# Allegro board BeagleBone AI -64_PCB_V1.02_211119.brd (continued)
## Placement (name value [footprint] x y rotation side) (continued)
R297  10K  [R0201]  -8.72 29.95 270 top
R298  100K  [R0402]  6.28 7.55 90 top
R299  4.99K  [R0402]  6.14 25.09 180 top
R300  0R  [R0201]  6.79 68.8 0 top
R301  10K  [R0201]  7.48 57.38 0 top
R302  0R  [R0201]  7.5 60.8 0 top
R303  47K  [R0201]  7.5 60.1 0 top
R304  33R  [R0201]  7.5 59.36 0 top
R305  33R  [R0201]  7.5 58.6 0 top
R306  909K  [R0402]  48.05 4.6 90 top
R307  100K  [R0402]  10.06 9.37 180 top
R308  0R  [R0201]  10.23 0.81 90 top
R309  0R  [R0201]  10.99 0.81 90 top
R310  4.7K  [R0402]  -14.94 27.29 0 top
R311  100K  [R0402]  11.92 9.37 180 top
R312  52.3K  [R0402]  12.73 11.87 90 top
R313  0R  [R0201]  49.75 4.68 90 top
R314  10K  [R0201]  14.18 13.9 270 top
R315  10K  [R0201]  16.3 13.9 90 top
R316  0R  [R0201]  16.6 67.58 0 top
R317  10K  [R0201]  18.42 22.79 270 top
R318  10R  [R0402]  19.72 15.9 270 top
R319  33R  [R0201]  21.22 67.49 0 top
R320  47K  [R0201]  21.22 66.71 0 top
R321  33R  [R0201]  26.31 67.31 90 top
R322  47K  [R0201]  27 67.31 90 top
R323  33R  [R0201]  27.89 68.49 270 top
R324  47K  [R0201]  27.89 67.31 90 top
R325  33R  [R0201]  28.76 68.49 270 top
R326  47K  [R0201]  28.76 67.31 90 top
R327  33R  [R0201]  29.95 68.49 270 top
R328  47K  [R0201]  29.95 67.31 90 top
R329  10K  [R0201]  31.57 48.08 0 top
R330  2.2K  [R0201]  31.57 47.36 0 top
R331  10K  [R0201]  31.81 60.5 0 top
R332  10K  [R0201]  31.81 59.79 0 top
R333  47K  [R0201]  31.82 66.07 0 top
R334  47K  [R0201]  31.82 65.2 0 top
R335  47K  [R0201]  31.82 64.33 0 top
R336  47K  [R0201]  31.82 63.46 0 top
R337  10K  [R0201]  32.95 57.26 0 top
R338  0R  [R0201]  33.05 48.08 180 top
R339  0R  [R0201]  33.05 47.36 180 top
R340  33R  [R0201]  33.23 66.07 180 top
R341  33R  [R0201]  33.23 65.2 180 top
R342  33R  [R0201]  33.23 64.33 180 top
R343  33R  [R0201]  33.23 63.46 180 top
R344  8.06K  [R0402]  35.19 42.98 90 top
R345  10K  [R0201]  35.69 36.88 270 top
R346  100K  [R0402]  37.22 42.98 90 top
R347  100K  [R0402]  37.22 36.88 180 top
R348  82.5K  [R0402]  38.26 42.98 270 top
R349  0R  [R0201]  39.29 68.28 90 top
R350  13K  [R0402]  50.58 6.15 180 bottom
R351  0R  [R0201]  39.99 68.28 90 top
R352  20K  [R0402]  50.58 7.22 180 bottom
R353  100K  [R0402]  50.17 38.58 90 bottom
R354  20K  [R0402]  50.58 8.26 180 bottom
R355  11K  [R0402]  50.58 9.32 180 bottom
R356  100K  [R0402]  47.35 38.48 90 bottom
R357  10K  [R0201]  46.08 71.56 270 top
R358  10K  [R0201]  47.48 72.97 90 top
R359  10K  [R0201]  47.48 71.54 270 top
R360  10K  [R0201]  48.24 72.97 90 top
R361  47K  [R0201]  48.24 71.54 270 top
R362  0R  [R0201]  48.47 30.28 180 top
R363  10K  [R0201]  48.98 72.97 90 top
R364  10K  [R0201]  48.98 71.54 270 top
R365  1K  [R0402]  52.48 26.16 0 top
R366  10K  [R0201]  49.69 72.97 90 top
R367  10K  [R0201]  49.69 71.54 270 top
R368  1K  [R0402]  52.48 34.07 0 top
R369  1K  [R0402]  52.48 32.47 0 top
R370  1K  [R0402]  52.48 30.94 0 top
R371  1K  [R0402]  52.48 29.28 0 top
R372  1K  [R0402]  52.48 27.74 0 top
R373  0R  [R0201]  50.96 40.26 270 bottom
R374  10K  [R0201]  -41.22 6.16 180 top
R375  0R  [R0201]  51.67 40.26 270 bottom
R376  10K  [R0201]  -41.22 4.79 180 top
R377  0R  [R0201]  -37.99 46.94 270 bottom
R378  0R  [R0201]  48.85 43.02 0 top
R379  0R  [R0201]  50.65 43.02 0 top
R380  10K  [R0201]  49.07 4.68 90 top
R381  10K  [R0201]  51.16 7.99 180 top
R382  10K  [R0201]  -41.22 4.1 180 top
R383  10K  [R0201]  -41.22 3.37 180 top
R384  10K  [R0201]  -41.22 6.85 180 top
R385  10K  [R0201]  -41.22 5.48 180 top
R386  33R  [R0201]  -31.5 29 90 bottom
R387  33R  [R0201]  -29.55 40.99 90 bottom
R388  33R  [R0201]  -33.34 40.6 180 bottom
R389  33R  [R0201]  -34.47 37.12 270 bottom
R390  33R  [R0201]  -34.1 38.85 180 bottom
R391  33R  [R0201]  -40.01 36.94 270 bottom
R392  49.9R  [R0201]  30.66 12.28 0 top
R393  0R  [R0201]  30.66 12.98 0 top
R394  10K  [R0201]  49.71 4.68 90 bottom
SW1  Tactile Switch  [SW_4P]  -45.35 62.43 0 bottom
SW2  Tactile Switch  [SW_4P]  -45.35 56.9 0 bottom
SW3  Tactile Switch  [SW_4P]  -45.35 51.15 0 bottom
TP1  Test Point  [TP30C_SMD]  -31.49 30.16 90 bottom
TP2  -  [TP30_SMD]  -11.42 34.22 90 bottom
TP3  Test Point  [TP30C_SMD]  -16.33 39.02 180 bottom
TP4  Test Point  [TP30C_SMD]  -19.03 42.75 180 bottom
TP5  Test Point  [TP30C_SMD]  -35.77 35.58 0 top
TP6  Test Point  [TP30C_SMD]  -34.88 26.94 0 top
TP7  -  [TP30_SMD]  -33.77 47.22 270 top
TP8  -  [TP30_SMD]  -19.6 52.64 0 top
TP9  -  [TP30_SMD]  30.76 32.2 270 top
TP10  -  [TP30_SMD]  32.88 58.56 270 top
TP11  -  [TP30_SMD]  47.76 64.19 180 top
TP12  -  [TP30_SMD]  50.48 64.97 180 top
TP13  -  [TP30_SMD]  50.93 44.8 180 top
TP14  -  [TP30_SMD]  50.95 47.97 270 top
TP15  Test Point  [TP60C_SMD]  -40.5 44.63 180 bottom
TP16  Test Point  [TP60C_SMD]  -37.96 44.63 180 bottom
TP17  Test Point  [TP30C_SMD]  -30.02 42.12 90 bottom
TP18  Test Point  [TP30C_SMD]  -34.66 40.72 90 bottom
TP19  Test Point  [TP30C_SMD]  -33.83 36.1 90 bottom
TP20  Test Point  [TP30C_SMD]  -35.36 38.61 180 bottom
TP21  Test Point  [TP30C_SMD]  -40.02 35.8 90 bottom
U1  TPS2121RUXR  [VQFN12_0D5_2X2_5X1MM]  40.69 10.97 180 bottom
U2  TXS0104ERGYR  [QFN14_0D5_3_5X3_5X1MM]  30.13 58.34 270 bottom
U3  LM5141RGER  [VQFN24_0D5_4X4X1MM]  18.39 14.29 0 bottom
U4  TPS2561DRCR  [VSON10_0D5_3X3X1MM]  4.01 11.28 180 bottom
U5  TPS22918DBVR  [SOT23_6]  -33.17 52.86 180 bottom
U6  SN74LVC1G08DCKR  [DCK5_2P15X1P4]  -33.24 58.45 270 bottom
U7  24FC04HT-I/OT  [SOT23-5]  -33.34 46.41 270 bottom
U8  MAX6817EUT+T  [SOT23_6]  -37.2 52.86 0 bottom
U9  TPS74801DRCR  [VSON10_0D5_3X3X1MM]  -20.29 19.04 90 top
U10  TPS3808G33DBVR  [SOT23_6]  -37.55 41.2 180 top
U11  SN74LVC1G07DCKR  [DCK5_2P15X1P4]  -37.53 44.68 270 top
U12  SN74LVC1G07DCKR  [DCK5_2P15X1P4]  -37.45 47.3 270 top
U13  TPD4E05U06DQAR  [USON10_0D5_2D5X1X0D5MM]  -34.24 18.11 180 top
U14  SN74LVC2G74DCUR  [SO8_0D5_2_3X2X0_9MM]  -31.57 42.08 90 top
U15  DP83867CRRGZR  [QFN48_0D5_7X7MM]  -30.97 31.9 0 top
U16  SN74LVC1G08DCKR  [DCK5_2P15X1P4]  -30.81 46.25 90 top
U17  TPD4E05U06DQAR  [USON10_0D5_2D5X1X0D5MM]  -26.83 18.11 180 top
U18  TPS74801DRCR  [VSON10_0D5_3X3X1MM]  9.26 25.96 180 top
U19  XJ721EGBALF  [FCBGA827_0D8_24X24X2_8MM]  -6.29 49.18 180 top
U20  TUSB8041RGCR  [QFN64_0D5_9X9X1MM]  -5.51 23.02 90 top
U21  TUSB322IRWBR  [X2QFN12_0D4_1_6X1_6X0_4MM]  48.59 7.25 0 top
U22  TPS2553DBVR  [SOT23_6]  15.26 11.37 90 top
U23  TPS22965DSGR  [WSON8_0D5_2X2X0_8MM]  18.24 25.33 90 top
U24  SN74LVC1G17DCKR  [SC70_5]  18.98 67.62 270 top
U25  Q3222PM1WDGTK-U  [BGA200_0D65_15X10X1MM]  21.99 43.9 90 top
U26  EMMC16G-TB29-PZ90  [BGA153_P14_P5_11P5X13]  23.48 59.96 270 top
U27  SN74LVC1G07DCKR  [DCK5_2P15X1P4]  32.35 54.95 0 top
U28  TPS62813QWRWYRQ1  [VQFNHR9_0D55_3X2X1MM]  36.46 40.06 180 top
U29  TPS65941111RWERQ1  [VQFN56_0D5_8X8X0_9MM]  40.32 25.89 0 top
U30  TPS65941213RWERQ1  [VQFN56_0D5_8X8X0_9MM]  42.38 53.87 0 top
U31  SN74LVC2G241DCUR  [U_8_DCU]  50.85 39.32 0 top
U32  TXB0108RGYR  [VQFN-20]  44.89 67.22 180 top
U33  SN74LVC2G241DCUR  [U_8_DCU]  47.92 39.31 0 top
U34  SN74CBTLV1G125DBVR  [SOT23-5]  43.08 12.45 0 top
X1  25MHz 18pF  [X4_SMD_2_5X2_0MM]  -31.04 23.63 180 top
X2  19.2000MHz 8PF  [X4_SMD_2_5X2_0MM]  -26.02 46.63 90 top
X3  22.5792MHz 8PF  [X4_SMD_2_5X2_0MM]  -25.95 51.46 270 top
X4  24MHz 18pF  [X4-SMD-3_2X2_5X1_0MM]  -15.86 19.58 90 top
X5  32.768kHz 12.5pF  [X2_SMD_3_2X1_5MM]  52.01 61.49 270 top

## Library data of the parts
C1-C85 C87-C94 C96-C107 C109 C111-C116 C118-C141 C143-C168 C170-C194 C196-C206 C208-C218 C220-C249 C251-C279 C281-C337 C339 C342-C344 C346 C348-C366 C369-C372 C376 C378-C387 C389-C391 C394-C409 C411 C414 C419-C421 C423-C425 C427-C430 C433 C434 C439 C440 C442 C443 C445-C453 C455-C460 C462-C470 C472 C475 C476 C478 C480-C530 C537-C548 = CC
C86 C95 C108 C110 C117 C169 C195 C207 C219 C250 C280 C338 C340 C341 C345 C347 C367 C374 C392 C393 C410 C412 C413 C415-C418 C422 C426 C431 C432 C435-C438 C441 C444 C454 C461 C471 C473 C474 C477 C479 = CC_EMIFIL_3P
C142 C388 = CT
C368 C373 C375 C377 C531-C536 = CC: signal model: CC_C0201_220NF_220nF
D1-D4 D19 D22-D35 D48 D49 = DIODE TVS BI-DIR
D5 D13-D18 D40 D42-D47 = ESD122DMX
D6 D8-D12 D36-D39 = TPD1E05U06DPY
D7 = BZX84C6V8LT1G
D20 D21 = D
D41 = D_Schottky
FL1-FL26 = FB
J1 = Header_4+2P
J2 J3 = SIP3
J4 = PCIe_M.2_Key E_75Pin
J5 = USB3.0_Type C_24+4P
J6 = Power Jack: Tolerance: X; User Part Number: X
J7 = Mini Display Port_20Pin
J8 = USB3.0_Dual Type A_18+4P
J9 = RJ45_LPJG0933HENL
J10 = Header 2X8 1357
J11 = Header 2X5_1
J12 = MicroSD Card_10+4P
J13 J15 J16 = FPC 22+2P
L1 L3-L14 L26-L30 = CL
L2 L15-L25 = L
LED1-LED6 = Single LED
MH1-MH9 = MHole
P8 = Header 2x23
P9 = Header 2x25_SPE
Q1 = PMOS_123
Q2 Q3 = NMOS_5P_1S2S3S4G5D
Q4-Q6 = NMOS_123
R1-R121 R123-R189 R191-R197 R199-R204 R206 R209-R211 R217-R224 R226-R229 R231-R236 R238-R247 R250-R273 R276-R303 R306-R320 R322 R324 R326 R328-R339 R344-R385 R392-R394 = R
R122 R190 R198 R205 R207 R208 R212-R216 R225 R230 R237 R248 R249 R274 R275 R304 R305 R321 R323 R325 R327 R340-R343 R386-R391 = R: signal model: R_R0201_33R_33R
SW1-SW3 = Tactile Switch_4P
TP1 TP3-TP6 TP15-TP21 = Test Point
TP2 TP7-TP14 = TESTPOINT
U1 = TPS2121
U2 = TXS0104E
U3 = LM5141RGE
U4 = TPS2561
U5 = TPS22918DBV
U6 U16 = SN74LVC1G08DCKR
U7 = MEM_24LC32_SOT23-5
U8 = MAX6817EUT
U9 U18 = TPS74801DRCR
U10 = TPS3808G33DBV
U11 U12 U27 = SN74LVC1G07DCK
U13 U17 = TPD4E05U06DQAR
U14 = SN74LVC2G74
U15 = DP83867CRRGZ
U19 = TDA4VM
U20 = TUSB8041
U21 = TUSB322IRWBR
U22 = TPS2553DBV
U23 = TPS22965DSG
U24 = SN74AUP1T17DCKR
U25 = LPDDR4_x32_VFBGA200
U26 = eMMC_5_1_153-ball_WFBGA
U28 = TPS62813-Q1
U29 U30 = TPS65941-Q1
U31 U33 = SN74LVC2G241
U32 = TXS0108E
U34 = SN74CBTLV1G125DBVR
X1-X4 = XTAL_4P
X5 = XTAL_2P

## Footprints (pads in the part's own frame, mm; a bottom-side part is the same pattern mirrored in y, then rotated)
AVX_C
  rrect 1.524x2.54 smd: 1(-2.794,0) 2(2.794,0)
BGA153_P14_P5_11P5X13
  round 0.254 smd: A1(-3.25,3.25) A2(-2.75,3.25) A3(-2.25,3.25) A4(-1.75,3.25) A5(-1.25,3.25) A6(-0.75,3.25) A7(-0.25,3.25) A8(0.25,3.25) A9(0.75,3.25) A10(1.25,3.25) A11(1.75,3.25) A12(2.25,3.25) A13(2.75,3.25) A14(3.25,3.25) B1(-3.25,2.75) B2(-2.75,2.75) B3(-2.25,2.75) B4(-1.75,2.75) B5(-1.25,2.75) B6(-0.75,2.75) B7(-0.25,2.75) B8(0.25,2.75) B9(0.75,2.75) B10(1.25,2.75) B11(1.75,2.75) B12(2.25,2.75) B13(2.75,2.75) B14(3.25,2.75) C1(-3.25,2.25) C2(-2.75,2.25) C3(-2.25,2.25) C4(-1.75,2.25) C5(-1.25,2.25) C6(-0.75,2.25) C7(-0.25,2.25) C8(0.25,2.25) C9(0.75,2.25) C10(1.25,2.25) C11(1.75,2.25) C12(2.25,2.25) C13(2.75,2.25) C14(3.25,2.25) D1(-3.25,1.75) D2(-2.75,1.75) D3(-2.25,1.75) D4(-1.75,1.75) D12(2.25,1.75) D13(2.75,1.75) D14(3.25,1.75) E1(-3.25,1.25) E2(-2.75,1.25) E3(-2.25,1.25) E5(-1.25,1.25) E6(-0.75,1.25) E7(-0.25,1.25) E8(0.25,1.25) E9(0.75,1.25) E10(1.25,1.25) E12(2.25,1.25) E13(2.75,1.25) E14(3.25,1.25) F1(-3.25,0.75) F2(-2.75,0.75) F3(-2.25,0.75) F5(-1.25,0.75) F10(1.25,0.75) F12(2.25,0.75) F13(2.75,0.75) F14(3.25,0.75) G1(-3.25,0.25) G2(-2.75,0.25) G3(-2.25,0.25) G5(-1.25,0.25) G10(1.25,0.25) G12(2.25,0.25) G13(2.75,0.25) G14(3.25,0.25) H1(-3.25,-0.25) H2(-2.75,-0.25) H3(-2.25,-0.25) H5(-1.25,-0.25) H10(1.25,-0.25) H12(2.25,-0.25) H13(2.75,-0.25) H14(3.25,-0.25) J1(-3.25,-0.75) J2(-2.75,-0.75) J3(-2.25,-0.75) J5(-1.25,-0.75) J10(1.25,-0.75) J12(2.25,-0.75) J13(2.75,-0.75) J14(3.25,-0.75) K1(-3.25,-1.25) K2(-2.75,-1.25) K3(-2.25,-1.25) K5(-1.25,-1.25) K6(-0.75,-1.25) K7(-0.25,-1.25) K8(0.25,-1.25) K9(0.75,-1.25) K10(1.25,-1.25) K12(2.25,-1.25) K13(2.75,-1.25) K14(3.25,-1.25) L1(-3.25,-1.75) L2(-2.75,-1.75) L3(-2.25,-1.75) L12(2.25,-1.75) L13(2.75,-1.75) L14(3.25,-1.75) M1(-3.25,-2.25) M2(-2.75,-2.25) M3(-2.25,-2.25) M4(-1.75,-2.25) M5(-1.25,-2.25) M6(-0.75,-2.25) M7(-0.25,-2.25) M8(0.25,-2.25) M9(0.75,-2.25) M10(1.25,-2.25) M11(1.75,-2.25) M12(2.25,-2.25) M13(2.75,-2.25) M14(3.25,-2.25) N1(-3.25,-2.75) N2(-2.75,-2.75) N3(-2.25,-2.75) N4(-1.75,-2.75) N5(-1.25,-2.75) N6(-0.75,-2.75) N7(-0.25,-2.75) N8(0.25,-2.75) N9(0.75,-2.75) N10(1.25,-2.75) N11(1.75,-2.75) N12(2.25,-2.75) N13(2.75,-2.75) N14(3.25,-2.75) P1(-3.25,-3.25) P2(-2.75,-3.25) P3(-2.25,-3.25) P4(-1.75,-3.25) P5(-1.25,-3.25) P6(-0.75,-3.25) P7(-0.25,-3.25) P8(0.25,-3.25) P9(0.75,-3.25) P10(1.25,-3.25) P11(1.75,-3.25) P12(2.25,-3.25) P13(2.75,-3.25) P14(3.25,-3.25)
BGA200_0D65_15X10X1MM
  round 0.305 smd: A1(-6.825,-4.4) A2(-6.825,-3.6) A3(-6.825,-2.8) A4(-6.825,-2) A5(-6.825,-1.2) A8(-6.825,1.2) A9(-6.825,2) A10(-6.825,2.8) A11(-6.825,3.6) A12(-6.825,4.4) AA1(6.175,-4.4) AA2(6.175,-3.6) AA3(6.175,-2.8) AA4(6.175,-2) AA5(6.175,-1.2) AA8(6.175,1.2) AA9(6.175,2) AA10(6.175,2.8) AA11(6.175,3.6) AA12(6.175,4.4) AB1(6.825,-4.4) AB2(6.825,-3.6) AB3(6.825,-2.8) AB4(6.825,-2) AB5(6.825,-1.2) AB8(6.825,1.2) AB9(6.825,2) AB10(6.825,2.8) AB11(6.825,3.6) AB12(6.825,4.4) B1(-6.175,-4.4) B2(-6.175,-3.6) B3(-6.175,-2.8) B4(-6.175,-2) B5(-6.175,-1.2) B8(-6.175,1.2) B9(-6.175,2) B10(-6.175,2.8) B11(-6.175,3.6) B12(-6.175,4.4) C1(-5.525,-4.4) C2(-5.525,-3.6) C3(-5.525,-2.8) C4(-5.525,-2) C5(-5.525,-1.2) C8(-5.525,1.2) C9(-5.525,2) C10(-5.525,2.8) C11(-5.525,3.6) C12(-5.525,4.4) D1(-4.875,-4.4) D2(-4.875,-3.6) D3(-4.875,-2.8) D4(-4.875,-2) D5(-4.875,-1.2) D8(-4.875,1.2) D9(-4.875,2) D10(-4.875,2.8) D11(-4.875,3.6) D12(-4.875,4.4) E1(-4.225,-4.4) E2(-4.225,-3.6) E3(-4.225,-2.8) E4(-4.225,-2) E5(-4.225,-1.2) E8(-4.225,1.2) E9(-4.225,2) E10(-4.225,2.8) E11(-4.225,3.6) E12(-4.225,4.4) F1(-3.575,-4.4) F2(-3.575,-3.6) F3(-3.575,-2.8) F4(-3.575,-2) F5(-3.575,-1.2) F8(-3.575,1.2) F9(-3.575,2) F10(-3.575,2.8) F11(-3.575,3.6) F12(-3.575,4.4) G1(-2.925,-4.4) G2(-2.925,-3.6) G3(-2.925,-2.8) G4(-2.925,-2) G5(-2.925,-1.2) G8(-2.925,1.2) G9(-2.925,2) G10(-2.925,2.8) G11(-2.925,3.6) G12(-2.925,4.4) H1(-2.275,-4.4) H2(-2.275,-3.6) H3(-2.275,-2.8) H4(-2.275,-2) H5(-2.275,-1.2) H8(-2.275,1.2) H9(-2.275,2) H10(-2.275,2.8) H11(-2.275,3.6) H12(-2.275,4.4) J1(-1.625,-4.4) J2(-1.625,-3.6) J3(-1.625,-2.8) J4(-1.625,-2) J5(-1.625,-1.2) J8(-1.625,1.2) J9(-1.625,2) J10(-1.625,2.8) J11(-1.625,3.6) J12(-1.625,4.4) K1(-0.975,-4.4) K2(-0.975,-3.6) K3(-0.975,-2.8) K4(-0.975,-2) K5(-0.975,-1.2) K8(-0.975,1.2) K9(-0.975,2) K10(-0.975,2.8) K11(-0.975,3.6) K12(-0.975,4.4) N1(0.975,-4.4) N2(0.975,-3.6) N3(0.975,-2.8) N4(0.975,-2) N5(0.975,-1.2) N8(0.975,1.2) N9(0.975,2) N10(0.975,2.8) N11(0.975,3.6) N12(0.975,4.4) P1(1.625,-4.4) P2(1.625,-3.6) P3(1.625,-2.8) P4(1.625,-2) P5(1.625,-1.2) P8(1.625,1.2) P9(1.625,2) P10(1.625,2.8) P11(1.625,3.6) P12(1.625,4.4) R1(2.275,-4.4) R2(2.275,-3.6) R3(2.275,-2.8) R4(2.275,-2) R5(2.275,-1.2) R8(2.275,1.2) R9(2.275,2) R10(2.275,2.8) R11(2.275,3.6) R12(2.275,4.4) T1(2.925,-4.4) T2(2.925,-3.6) T3(2.925,-2.8) T4(2.925,-2) T5(2.925,-1.2) T8(2.925,1.2) T9(2.925,2) T10(2.925,2.8) T11(2.925,3.6) T12(2.925,4.4) U1(3.575,-4.4) U2(3.575,-3.6) U3(3.575,-2.8) U4(3.575,-2) U5(3.575,-1.2) U8(3.575,1.2) U9(3.575,2) U10(3.575,2.8) U11(3.575,3.6) U12(3.575,4.4) V1(4.225,-4.4) V2(4.225,-3.6) V3(4.225,-2.8) V4(4.225,-2) V5(4.225,-1.2) V8(4.225,1.2) V9(4.225,2) V10(4.225,2.8) V11(4.225,3.6) V12(4.225,4.4) W1(4.875,-4.4) W2(4.875,-3.6) W3(4.875,-2.8) W4(4.875,-2) W5(4.875,-1.2) W8(4.875,1.2) W9(4.875,2) W10(4.875,2.8) W11(4.875,3.6) W12(4.875,4.4) Y1(5.525,-4.4) Y2(5.525,-3.6) Y3(5.525,-2.8) Y4(5.525,-2) Y5(5.525,-1.2) Y8(5.525,1.2) Y9(5.525,2) Y10(5.525,2.8) Y11(5.525,3.6) Y12(5.525,4.4)
C0201
  rrect 0.279x0.318 smd: 1(-0.279,0) 2(0.279,0)
C0402
  rrect 0.5x0.5 smd: 1(-0.463,0) 2(0.463,0)
C0603
  rrect 0.889x0.889 smd: 1(-0.762,0) 2(0.762,0)
C0805
  rrect 1.016x1.397 smd: 1(-0.889,0) 2(0.889,0)
C1206
  rect 1.397x1.626 smd: 1(-1.41,0) 2(1.41,0)
C1210
  rrect 1.55x3.1 smd: 1(-1.5,0) 2(1.5,0)
CON3B35X60
  rect 1.016x1.016 hole 0.813: 1(-1.5,0.45)
  round 1.016 hole 0.813: 2(0,0.45) 3(1.5,0.45)
CON_MINIPEX_067_SMT_RA_M2_KEYE_C
  round 1.1 hole 1.1 unplated: (-10,-1.636)
  round 1.6 hole 1.6 unplated: (10,-1.636)
  rect 0.305x1.575 smd: 1(-9.25,3.639) 2(-9,-3.911) 3(-8.75,3.639) 4(-8.5,-3.911) 5(-8.25,3.639) 6(-8,-3.911) 7(-7.75,3.639) 8(-7.5,-3.911) 9(-7.25,3.639) 10(-7,-3.911) 11(-6.75,3.639) 12(-6.5,-3.911) 13(-6.25,3.639) 14(-6,-3.911) 15(-5.75,3.639) 16(-5.5,-3.911) 17(-5.25,3.639) 18(-5,-3.911) 19(-4.75,3.639) 20(-4.5,-3.911) 21(-4.25,3.639) 22(-4,-3.911) 23(-3.75,3.639) 32(-1.5,-3.911) 33(-1.25,3.639) 34(-1,-3.911) 35(-0.75,3.639) 36(-0.5,-3.911) 37(-0.25,3.639) 38(0,-3.911) 39(0.25,3.639) 40(0.5,-3.911) 41(0.75,3.639) 42(1,-3.911) 43(1.25,3.639) 44(1.5,-3.911) 45(1.75,3.639) 46(2,-3.911) 47(2.25,3.639) 48(2.5,-3.911) 49(2.75,3.639) 50(3,-3.911) 51(3.25,3.639) 52(3.5,-3.911) 53(3.75,3.639) 54(4,-3.911) 55(4.25,3.639) 56(4.5,-3.911) 57(4.75,3.639) 58(5,-3.911) 59(5.25,3.639) 60(5.5,-3.911) 61(5.75,3.639) 62(6,-3.911) 63(6.25,3.639) 64(6.5,-3.911) 65(6.75,3.639) 66(7,-3.911) 67(7.25,3.639) 68(7.5,-3.911) 69(7.75,3.639) 70(8,-3.911) 71(8.25,3.639) 72(8.5,-3.911) 73(8.75,3.639) 74(9,-3.911) 75(9.25,3.639)
  rect 1.219x2.769 smd: 76(-10.35,2.864) 77(10.35,2.864)
CONN3-PWR-DC630
  oval 1.2x3.5 hole 0.45x2.6: 1(0,0.1) 2(6.294,0.1)
  oval 3.5x1.2 hole 2.6x0.45: 3(3.297,4.699)
CONNECT10_1D27_12_4X6_7MM
  round 1.2 hole 1.2 unplated: (-3.81,0) (3.81,1.015) (3.81,-1.015)
  round 0.89 smd: 1(-2.54,-0.635) 2(-1.27,-0.635) 3(0,-0.635) 4(1.27,-0.635) 5(2.54,-0.635) 6(2.54,0.635) 7(1.27,0.635) 8(0,0.635) 9(-1.27,0.635) 10(-2.54,0.635)
D0402
  rrect 0.5x0.5 smd: 1(-0.463,0) 2(0.463,0)
D0402_1C2A
  rrect 0.5x0.5 smd: 1(-0.463,0) 2(0.463,0)
DCK5_2P15X1P4
  rect 0.4x0.9 smd: 1(-0.65,-1.1) 2(0,-1.1) 3(0.65,-1.1) 4(0.65,1.1) 5(-0.65,1.1)
DO_214AC_SMA
  rrect 1.77x1.8 smd: 1(-2.042,0) 2(2.042,0)
DP20_0D6_9_8X11_8X5_9MM
  round 1.5 hole 1.5 unplated: (-4,0) (4,0)
  rrect 0.35x2 smd: 1(2.7,6) 3(2.1,6) 5(1.5,6) 7(0.9,6) 9(0.3,6) 11(-0.3,6) 13(-0.9,6) 15(-1.5,6) 17(-2.1,6) 19(-2.7,6)
  round 0.813 hole 0.508: 2(2.7,3.09) 4(2.3,2.09) 6(1.3,2.09) 8(0.9,3.09) 10(0.5,4.09) 12(-0.5,4.09) 14(-0.9,3.09) 16(-1.3,2.09) 18(-2.3,2.09) 20(-2.7,3.09)
  oval 1.2x2.3 hole 0.7x1.8: SH1(-4.56,-2.72) SH2(4.56,-2.72)
  oval 1.2x2.7 hole 0.7x2.2: SH3(-4.26,3.09) SH4(4.26,3.09)
EMIFIL_0402_3P
  rect 0.305x0.508 smd: 1(-0.5,0) 3(0.5,0)
  rect 0.254x0.762 smd: 2(0,0)
EMIFIL_0805_3P
  rrect 0.4x0.85 smd: 1(-1,0) 3(1,0)
  rrect 1x1.45 smd: 2(0,0)
FCBGA827_0D8_24X24X2_8MM
  round 0.457 smd: A1(-11.2,11.2) A2(-10.4,11.2) A3(-9.6,11.2) A4(-8.8,11.2) A5(-8,11.2) A6(-7.2,11.2) A7(-6.4,11.2) A8(-5.6,11.2) A9(-4.8,11.2) A10(-4,11.2) A11(-3.2,11.2) A12(-2.4,11.2) A13(-1.6,11.2) A14(-0.8,11.2) A15(0,11.2) A16(0.8,11.2) A17(1.6,11.2) A18(2.4,11.2) A19(3.2,11.2) A20(4,11.2) A21(4.8,11.2) A22(5.6,11.2) A23(6.4,11.2) A24(7.2,11.2) A25(8,11.2) A26(8.8,11.2) A27(9.6,11.2) A28(10.4,11.2) AA1(-11.2,-4.8) AA2(-10.4,-4.8) AA3(-9.6,-4.8) AA4(-8.8,-4.8) AA5(-8,-4.8) AA6(-7.2,-4.8) AA7(-6.4,-4.8) AA8(-5.6,-4.8) AA9(-4.8,-4.8) AA10(-4,-4.8) AA11(-3.2,-4.8) AA12(-2.4,-4.8) AA13(-1.6,-4.8) AA14(-0.8,-4.8) AA15(0,-4.8) AA16(0.8,-4.8) AA17(1.6,-4.8) AA18(2.4,-4.8) AA19(3.2,-4.8) AA20(4,-4.8) AA21(4.8,-4.8) AA22(5.6,-4.8) AA23(6.4,-4.8) AA24(7.2,-4.8) AA25(8,-4.8) AA26(8.8,-4.8) AA27(9.6,-4.8) AA28(10.4,-4.8) AA29(11.2,-4.8) AB1(-11.2,-5.6) AB2(-10.4,-5.6) AB3(-9.6,-5.6) AB4(-8.8,-5.6) AB5(-8,-5.6) AB6(-7.2,-5.6) AB7(-6.4,-5.6) AB8(-5.6,-5.6) AB9(-4.8,-5.6) AB10(-4,-5.6) AB11(-3.2,-5.6) AB12(-2.4,-5.6) AB13(-1.6,-5.6) AB14(-0.8,-5.6) AB15(0,-5.6) AB16(0.8,-5.6) AB17(1.6,-5.6) AB18(2.4,-5.6) AB19(3.2,-5.6) AB20(4,-5.6) AB21(4.8,-5.6) AB22(5.6,-5.6) AB23(6.4,-5.6) AB24(7.2,-5.6) AB25(8,-5.6) AB26(8.8,-5.6) AB27(9.6,-5.6) AB28(10.4,-5.6) AB29(11.2,-5.6) AC1(-11.2,-6.4) AC2(-10.4,-6.4) AC3(-9.6,-6.4) AC4(-8.8,-6.4) AC5(-8,-6.4) AC6(-7.2,-6.4) AC7(-6.4,-6.4) AC8(-5.6,-6.4) AC9(-4.8,-6.4) AC10(-4,-6.4) AC11(-3.2,-6.4) AC12(-2.4,-6.4) AC13(-1.6,-6.4) AC14(-0.8,-6.4) AC15(0,-6.4) AC16(0.8,-6.4) AC17(1.6,-6.4) AC18(2.4,-6.4) AC19(3.2,-6.4) AC20(4,-6.4) AC21(4.8,-6.4) AC22(5.6,-6.4) AC23(6.4,-6.4) AC24(7.2,-6.4) AC25(8,-6.4) AC26(8.8,-6.4) AC27(9.6,-6.4) AC28(10.4,-6.4) AC29(11.2,-6.4) AD1(-11.2,-7.2) AD2(-10.4,-7.2) AD3(-9.6,-7.2) AD4(-8.8,-7.2) AD5(-8,-7.2) AD6(-7.2,-7.2) AD7(-6.4,-7.2) AD8(-5.6,-7.2) AD9(-4.8,-7.2) AD10(-4,-7.2) AD11(-3.2,-7.2) AD12(-2.4,-7.2) AD13(-1.6,-7.2) AD14(-0.8,-7.2) AD15(0,-7.2) AD16(0.8,-7.2) AD17(1.6,-7.2) AD18(2.4,-7.2) AD19(3.2,-7.2) AD20(4,-7.2) AD21(4.8,-7.2) AD22(5.6,-7.2) AD23(6.4,-7.2) AD24(7.2,-7.2) AD25(8,-7.2) AD26(8.8,-7.2) AD27(9.6,-7.2) AD28(10.4,-7.2) AD29(11.2,-7.2) AE1(-11.2,-8) AE2(-10.4,-8) AE3(-9.6,-8) AE4(-8.8,-8) AE5(-8,-8) AE6(-7.2,-8) AE7(-6.4,-8) AE8(-5.6,-8) AE9(-4.8,-8) AE10(-4,-8) AE11(-3.2,-8) AE12(-2.4,-8) AE13(-1.6,-8) AE14(-0.8,-8) AE15(0,-8) AE16(0.8,-8) AE17(1.6,-8) AE18(2.4,-8) AE19(3.2,-8) AE20(4,-8) AE21(4.8,-8) AE22(5.6,-8) AE23(6.4,-8) AE24(7.2,-8) AE25(8,-8) AE26(8.8,-8) AE27(9.6,-8) AE28(10.4,-8) AE29(11.2,-8) AF1(-11.2,-8.8) AF2(-10.4,-8.8) AF3(-9.6,-8.8) AF4(-8.8,-8.8) AF5(-8,-8.8) AF6(-7.2,-8.8) AF7(-6.4,-8.8) AF8(-5.6,-8.8) AF9(-4.8,-8.8) AF10(-4,-8.8) AF11(-3.2,-8.8) AF12(-2.4,-8.8) AF13(-1.6,-8.8) AF14(-0.8,-8.8) AF15(0,-8.8) AF16(0.8,-8.8) AF17(1.6,-8.8) AF18(2.4,-8.8) AF19(3.2,-8.8) AF20(4,-8.8) AF21(4.8,-8.8) AF22(5.6,-8.8) AF23(6.4,-8.8) AF24(7.2,-8.8) AF25(8,-8.8) AF26(8.8,-8.8) AF27(9.6,-8.8) AF28(10.4,-8.8) AF29(11.2,-8.8) AG1(-11.2,-9.6) AG2(-10.4,-9.6) AG3(-9.6,-9.6) AG4(-8.8,-9.6) AG5(-8,-9.6) AG6(-7.2,-9.6) AG7(-6.4,-9.6) AG8(-5.6,-9.6) AG9(-4.8,-9.6) AG10(-4,-9.6) AG11(-3.2,-9.6) AG12(-2.4,-9.6) AG13(-1.6,-9.6) AG14(-0.8,-9.6) AG15(0,-9.6) AG16(0.8,-9.6) AG17(1.6,-9.6) AG18(2.4,-9.6) AG19(3.2,-9.6) AG20(4,-9.6) AG21(4.8,-9.6) AG22(5.6,-9.6) AG23(6.4,-9.6) AG24(7.2,-9.6) AG25(8,-9.6) AG26(8.8,-9.6) AG27(9.6,-9.6) AG28(10.4,-9.6) AG29(11.2,-9.6) AH1(-11.2,-10.4) AH2(-10.4,-10.4) AH3(-9.6,-10.4) AH4(-8.8,-10.4) AH5(-8,-10.4) AH6(-7.2,-10.4) AH7(-6.4,-10.4) AH8(-5.6,-10.4) AH9(-4.8,-10.4) AH10(-4,-10.4) AH11(-3.2,-10.4) AH12(-2.4,-10.4) AH13(-1.6,-10.4) AH14(-0.8,-10.4) AH15(0,-10.4) AH16(0.8,-10.4) AH17(1.6,-10.4) AH18(2.4,-10.4) AH19(3.2,-10.4) AH20(4,-10.4) AH21(4.8,-10.4) AH22(5.6,-10.4) AH23(6.4,-10.4) AH24(7.2,-10.4) AH25(8,-10.4) AH26(8.8,-10.4) AH27(9.6,-10.4) AH28(10.4,-10.4) AH29(11.2,-10.4) AJ2(-10.4,-11.2) AJ3(-9.6,-11.2) AJ4(-8.8,-11.2) AJ5(-8,-11.2) AJ6(-7.2,-11.2) AJ7(-6.4,-11.2) AJ8(-5.6,-11.2) AJ9(-4.8,-11.2) AJ10(-4,-11.2) AJ11(-3.2,-11.2) AJ12(-2.4,-11.2) AJ13(-1.6,-11.2) AJ14(-0.8,-11.2) AJ15(0,-11.2) AJ16(0.8,-11.2) AJ17(1.6,-11.2) AJ18(2.4,-11.2) AJ19(3.2,-11.2) AJ20(4,-11.2) AJ21(4.8,-11.2) AJ22(5.6,-11.2) AJ23(6.4,-11.2) AJ24(7.2,-11.2) AJ25(8,-11.2) AJ26(8.8,-11.2) AJ27(9.6,-11.2) AJ28(10.4,-11.2) AJ29(11.2,-11.2) B1(-11.2,10.4) B2(-10.4,10.4) B3(-9.6,10.4) B4(-8.8,10.4) B5(-8,10.4) B6(-7.2,10.4) B7(-6.4,10.4) B8(-5.6,10.4) B9(-4.8,10.4) B10(-4,10.4) B11(-3.2,10.4) B12(-2.4,10.4) B13(-1.6,10.4) B14(-0.8,10.4) B15(0,10.4) B16(0.8,10.4) B17(1.6,10.4) B18(2.4,10.4) B19(3.2,10.4) B20(4,10.4) B21(4.8,10.4) B22(5.6,10.4) B23(6.4,10.4) B24(7.2,10.4) B25(8,10.4) B26(8.8,10.4) B27(9.6,10.4) B28(10.4,10.4) B29(11.2,10.4) C1(-11.2,9.6) C2(-10.4,9.6) C3(-9.6,9.6) C4(-8.8,9.6) C5(-8,9.6) C6(-7.2,9.6) C7(-6.4,9.6) C8(-5.6,9.6) C9(-4.8,9.6) C10(-4,9.6) C11(-3.2,9.6) C12(-2.4,9.6) C13(-1.6,9.6) C14(-0.8,9.6) C15(0,9.6) C16(0.8,9.6) C17(1.6,9.6) C18(2.4,9.6) C19(3.2,9.6) C20(4,9.6) C21(4.8,9.6) C22(5.6,9.6) C23(6.4,9.6) C24(7.2,9.6) C25(8,9.6) C26(8.8,9.6) C27(9.6,9.6) C28(10.4,9.6) C29(11.2,9.6) D1(-11.2,8.8) D2(-10.4,8.8) D3(-9.6,8.8) D4(-8.8,8.8) D5(-8,8.8) D6(-7.2,8.8) D7(-6.4,8.8) D8(-5.6,8.8) D9(-4.8,8.8) D10(-4,8.8) D11(-3.2,8.8) D12(-2.4,8.8) D13(-1.6,8.8) D14(-0.8,8.8) D15(0,8.8) D16(0.8,8.8) D17(1.6,8.8) D18(2.4,8.8) D19(3.2,8.8) D20(4,8.8) D21(4.8,8.8) D22(5.6,8.8) D23(6.4,8.8) D24(7.2,8.8) D25(8,8.8) D26(8.8,8.8) D27(9.6,8.8) D28(10.4,8.8) D29(11.2,8.8) E1(-11.2,8) E2(-10.4,8) E3(-9.6,8) E4(-8.8,8) E5(-8,8) E6(-7.2,8) E7(-6.4,8) E8(-5.6,8) E9(-4.8,8) E10(-4,8) E11(-3.2,8) E12(-2.4,8) E13(-1.6,8) E14(-0.8,8) E15(0,8) E16(0.8,8) E17(1.6,8) E18(2.4,8) E19(3.2,8) E20(4,8) E21(4.8,8) E22(5.6,8) E23(6.4,8) E24(7.2,8) E25(8,8) E26(8.8,8) E27(9.6,8) E28(10.4,8) E29(11.2,8) F1(-11.2,7.2) F2(-10.4,7.2) F3(-9.6,7.2) F4(-8.8,7.2) F5(-8,7.2) F6(-7.2,7.2) F7(-6.4,7.2) F8(-5.6,7.2) F9(-4.8,7.2) F10(-4,7.2) F11(-3.2,7.2) F12(-2.4,7.2) F13(-1.6,7.2) F14(-0.8,7.2) F15(0,7.2) F16(0.8,7.2) F17(1.6,7.2) F18(2.4,7.2) F19(3.2,7.2) F20(4,7.2) F21(4.8,7.2) F22(5.6,7.2) F23(6.4,7.2) F24(7.2,7.2) F25(8,7.2) F26(8.8,7.2) F27(9.6,7.2) F28(10.4,7.2) F29(11.2,7.2) G1(-11.2,6.4) G2(-10.4,6.4) G3(-9.6,6.4) G4(-8.8,6.4) G5(-8,6.4) G6(-7.2,6.4) G7(-6.4,6.4) G8(-5.6,6.4) G9(-4.8,6.4) G10(-4,6.4) G11(-3.2,6.4) G12(-2.4,6.4) G13(-1.6,6.4) G14(-0.8,6.4) G15(0,6.4) G16(0.8,6.4) G17(1.6,6.4) G18(2.4,6.4) G19(3.2,6.4) G20(4,6.4) G21(4.8,6.4) G22(5.6,6.4) G23(6.4,6.4) G24(7.2,6.4) G25(8,6.4) G26(8.8,6.4) G27(9.6,6.4) G28(10.4,6.4) G29(11.2,6.4) H1(-11.2,5.6) H2(-10.4,5.6) H3(-9.6,5.6) H4(-8.8,5.6) H5(-8,5.6) H6(-7.2,5.6) H7(-6.4,5.6) H8(-5.6,5.6) H9(-4.8,5.6) H10(-4,5.6) H11(-3.2,5.6) H12(-2.4,5.6) H13(-1.6,5.6) H14(-0.8,5.6) H15(0,5.6) H16(0.8,5.6) H17(1.6,5.6) H18(2.4,5.6) H19(3.2,5.6) H20(4,5.6) H21(4.8,5.6) H22(5.6,5.6) H23(6.4,5.6) H24(7.2,5.6) H25(8,5.6) H26(8.8,5.6) H27(9.6,5.6) H28(10.4,5.6) H29(11.2,5.6) J1(-11.2,4.8) J2(-10.4,4.8) J3(-9.6,4.8) J4(-8.8,4.8) J5(-8,4.8) J6(-7.2,4.8) J7(-6.4,4.8) J8(-5.6,4.8) J9(-4.8,4.8) J10(-4,4.8) J11(-3.2,4.8) J12(-2.4,4.8) J13(-1.6,4.8) J14(-0.8,4.8) J15(0,4.8) J16(0.8,4.8) J17(1.6,4.8) J18(2.4,4.8) J19(3.2,4.8) J20(4,4.8) J21(4.8,4.8) J22(5.6,4.8) J23(6.4,4.8) J24(7.2,4.8) J25(8,4.8) J26(8.8,4.8) J27(9.6,4.8) J28(10.4,4.8) J29(11.2,4.8) K1(-11.2,4) K2(-10.4,4) K3(-9.6,4) K4(-8.8,4) K5(-8,4) K6(-7.2,4) K7(-6.4,4) K8(-5.6,4) K9(-4.8,4) K10(-4,4) K11(-3.2,4) K12(-2.4,4) K13(-1.6,4) K14(-0.8,4) K15(0,4) K16(0.8,4) K17(1.6,4) K18(2.4,4) K19(3.2,4) K20(4,4) K21(4.8,4) K22(5.6,4) K23(6.4,4) K24(7.2,4) K25(8,4) K26(8.8,4) K27(9.6,4) K28(10.4,4) K29(11.2,4) L1(-11.2,3.2) L2(-10.4,3.2) L3(-9.6,3.2) L4(-8.8,3.2) L5(-8,3.2) L6(-7.2,3.2) L7(-6.4,3.2) L8(-5.6,3.2) L9(-4.8,3.2) L10(-4,3.2) L11(-3.2,3.2) L12(-2.4,3.2) L13(-1.6,3.2) L14(-0.8,3.2) L15(0,3.2) L16(0.8,3.2) L17(1.6,3.2) L18(2.4,3.2) L19(3.2,3.2) L20(4,3.2) L21(4.8,3.2) L22(5.6,3.2) L23(6.4,3.2) L24(7.2,3.2) L25(8,3.2) L26(8.8,3.2) L27(9.6,3.2) L28(10.4,3.2) L29(11.2,3.2) M1(-11.2,2.4) M2(-10.4,2.4) M3(-9.6,2.4) M4(-8.8,2.4) M5(-8,2.4) M6(-7.2,2.4) M7(-6.4,2.4) M8(-5.6,2.4) M9(-4.8,2.4) M10(-4,2.4) M14(-0.8,2.4) M15(0,2.4) M16(0.8,2.4) M17(1.6,2.4) M18(2.4,2.4) M19(3.2,2.4) M20(4,2.4) M21(4.8,2.4) M22(5.6,2.4) M23(6.4,2.4) M24(7.2,2.4) M25(8,2.4) M26(8.8,2.4) M27(9.6,2.4) M28(10.4,2.4) M29(11.2,2.4) N1(-11.2,1.6) N2(-10.4,1.6) N3(-9.6,1.6) N4(-8.8,1.6) N5(-8,1.6) N6(-7.2,1.6) N7(-6.4,1.6) N8(-5.6,1.6) N9(-4.8,1.6) N10(-4,1.6) N14(-0.8,1.6) N15(0,1.6) N16(0.8,1.6) N17(1.6,1.6) N18(2.4,1.6) N19(3.2,1.6) N20(4,1.6) N21(4.8,1.6) N22(5.6,1.6) N23(6.4,1.6) N24(7.2,1.6) N25(8,1.6) N26(8.8,1.6) N27(9.6,1.6) N28(10.4,1.6) N29(11.2,1.6) P1(-11.2,0.8) P2(-10.4,0.8) P3(-9.6,0.8) P4(-8.8,0.8) P5(-8,0.8) P6(-7.2,0.8) P7(-6.4,0.8) P8(-5.6,0.8) P9(-4.8,0.8) P10(-4,0.8) P11(-3.2,0.8) P12(-2.4,0.8) P13(-1.6,0.8) P14(-0.8,0.8) P15(0,0.8) P16(0.8,0.8) P17(1.6,0.8) P18(2.4,0.8) P19(3.2,0.8) P20(4,0.8) P21(4.8,0.8) P22(5.6,0.8) P23(6.4,0.8) P24(7.2,0.8) P25(8,0.8) P26(8.8,0.8) P27(9.6,0.8) P28(10.4,0.8) P29(11.2,0.8) R1(-11.2,0) R2(-10.4,0) R3(-9.6,0) R4(-8.8,0) R5(-8,0) R6(-7.2,0) R7(-6.4,0) R8(-5.6,0) R9(-4.8,0) R10(-4,0) R11(-3.2,0) R12(-2.4,0) R13(-1.6,0) R14(-0.8,0) R15(0,0) R16(0.8,0) R17(1.6,0) R18(2.4,0) R19(3.2,0) R20(4,0) R21(4.8,0) R22(5.6,0) R23(6.4,0) R24(7.2,0) R25(8,0) R26(8.8,0) R27(9.6,0) R28(10.4,0) R29(11.2,0) T1(-11.2,-0.8) T2(-10.4,-0.8) T3(-9.6,-0.8) T4(-8.8,-0.8) T5(-8,-0.8) T6(-7.2,-0.8) T7(-6.4,-0.8) T8(-5.6,-0.8) T9(-4.8,-0.8) T10(-4,-0.8) T14(-0.8,-0.8) T15(0,-0.8) T16(0.8,-0.8) T17(1.6,-0.8) T18(2.4,-0.8) T19(3.2,-0.8) T20(4,-0.8) T21(4.8,-0.8) T22(5.6,-0.8) T23(6.4,-0.8) T24(7.2,-0.8) T25(8,-0.8) T26(8.8,-0.8) T27(9.6,-0.8) T28(10.4,-0.8) T29(11.2,-0.8) U1(-11.2,-1.6) U2(-10.4,-1.6) U3(-9.6,-1.6) U4(-8.8,-1.6) U5(-8,-1.6) U6(-7.2,-1.6) U7(-6.4,-1.6) U8(-5.6,-1.6) U9(-4.8,-1.6) U10(-4,-1.6) U14(-0.8,-1.6) U15(0,-1.6) U16(0.8,-1.6) U17(1.6,-1.6) U18(2.4,-1.6) U19(3.2,-1.6) U20(4,-1.6) U21(4.8,-1.6) U22(5.6,-1.6) U23(6.4,-1.6) U24(7.2,-1.6) U25(8,-1.6) U26(8.8,-1.6) U27(9.6,-1.6) U28(10.4,-1.6) U29(11.2,-1.6) V1(-11.2,-2.4) V2(-10.4,-2.4) V3(-9.6,-2.4) V4(-8.8,-2.4) V5(-8,-2.4) V6(-7.2,-2.4) V7(-6.4,-2.4) V8(-5.6,-2.4) V9(-4.8,-2.4) V10(-4,-2.4) V11(-3.2,-2.4) V12(-2.4,-2.4) V13(-1.6,-2.4) V14(-0.8,-2.4) V15(0,-2.4) V16(0.8,-2.4) V17(1.6,-2.4) V18(2.4,-2.4) V19(3.2,-2.4) V20(4,-2.4) V21(4.8,-2.4) V22(5.6,-2.4) V23(6.4,-2.4) V24(7.2,-2.4) V25(8,-2.4) V26(8.8,-2.4) V27(9.6,-2.4) V28(10.4,-2.4) V29(11.2,-2.4) W1(-11.2,-3.2) W2(-10.4,-3.2) W3(-9.6,-3.2) W4(-8.8,-3.2) W5(-8,-3.2) W6(-7.2,-3.2) W7(-6.4,-3.2) W8(-5.6,-3.2) W9(-4.8,-3.2) W10(-4,-3.2) W11(-3.2,-3.2) W12(-2.4,-3.2) W13(-1.6,-3.2) W14(-0.8,-3.2) W15(0,-3.2) W16(0.8,-3.2) W17(1.6,-3.2) W18(2.4,-3.2) W19(3.2,-3.2) W20(4,-3.2) W21(4.8,-3.2) W22(5.6,-3.2) W23(6.4,-3.2) W24(7.2,-3.2) W25(8,-3.2) W26(8.8,-3.2) W27(9.6,-3.2) W28(10.4,-3.2) W29(11.2,-3.2) Y1(-11.2,-4) Y2(-10.4,-4) Y3(-9.6,-4) Y4(-8.8,-4) Y5(-8,-4) Y6(-7.2,-4) Y7(-6.4,-4) Y8(-5.6,-4) Y9(-4.8,-4) Y10(-4,-4) Y11(-3.2,-4) Y12(-2.4,-4) Y13(-1.6,-4) Y14(-0.8,-4) Y15(0,-4) Y16(0.8,-4) Y17(1.6,-4) Y18(2.4,-4) Y19(3.2,-4) Y20(4,-4) Y21(4.8,-4) Y22(5.6,-4) Y23(6.4,-4) Y24(7.2,-4) Y25(8,-4) Y26(8.8,-4) Y27(9.6,-4) Y28(10.4,-4) Y29(11.2,-4)